# Altium PCB PCB_with_drawing_try2.PcbDoc (part 5 of 5) (continued)
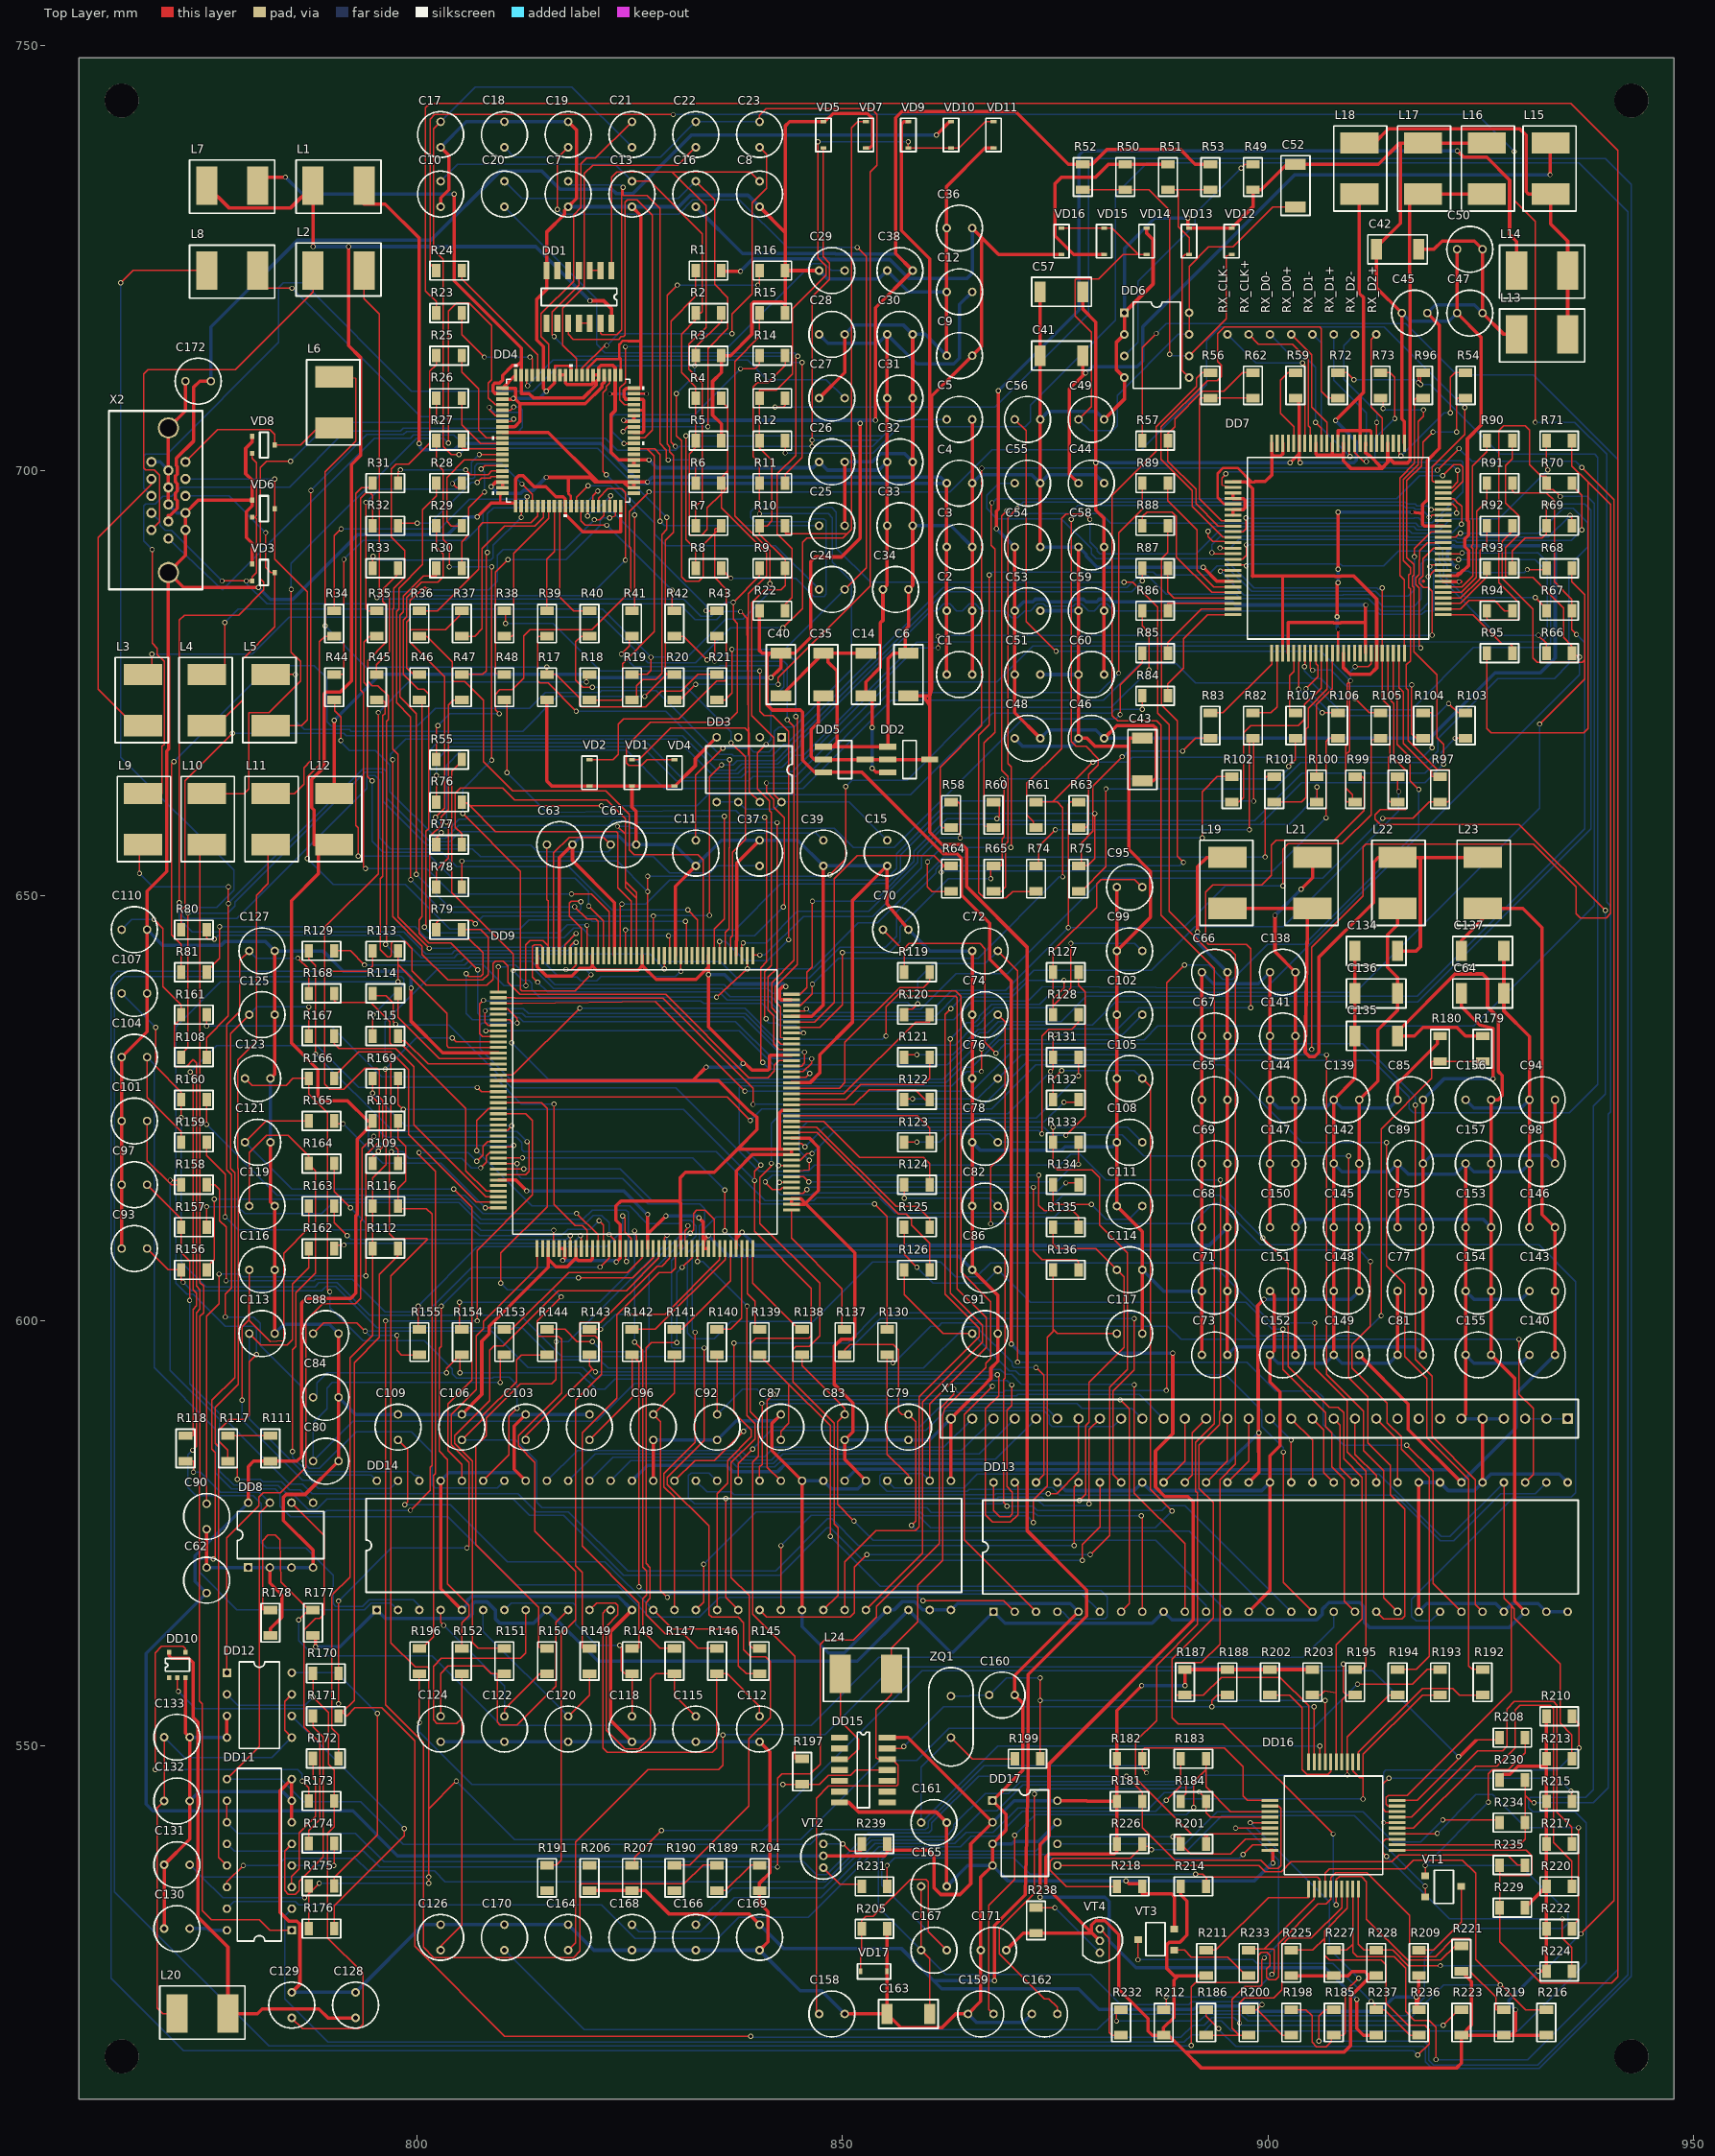
[diagram p0: Top Layer view]
## Nets (pads, with @x,y where several pads share a name; then routed paths per layer and width w, separated by ;. In a path a pad name is that pad's centre, name@x,y a point inside that pad or via, vN(x,y) a via of type N, cw(c..) or ccw(c..) an arc to the next point about the centre after c; other vN are vias at no path point) (continued)
  Bottom Layer w0.15: v1(776.024,572.013) 774.599,572.013 774.421,571.835 774.421,570.416 778.81,566.027 793.787,566.027 794.589,566.829 796.921,566.829 DD14.2@797.75,566 ; C125.2@780.25,636 781.16,636.91 v1(787.25,636.91)
RA2: C123.2 DD14.51 R166.1 | length 75.3
  Top Layer w0.15: C123.2@779.75,628.5 780.586,627.664 784.584,627.664 785.42,628.5 R166.1@787.25,628.5 787.25,626.675 789.461,624.464 789.461,603.661 v1(789.715,603.407) ; DD14.51@807.75,581.2 810.797,584.247 810.797,588.752 v1(811.737,589.691)
  Bottom Layer w0.15: v1(789.715,603.407) 789.715,601.585 793.652,597.648 800.834,597.648 804.142,594.34 804.142,593.781 804.65,593.273 808.866,593.273 808.968,593.374 810.822,593.374 811.737,592.46 v1(811.737,589.691)
RA3: C121.2 DD14.52 R165.1 | length 72.4
  Top Layer w0.15: C121.2@779.75,621 782.25,623.5 R165.1@787.25,623.5 ; v1(804.294,615.498) 806.428,613.364 806.428,593.048 803.613,590.233 803.613,584.769 805.25,583.132 DD14.52@805.25,581.2
  Bottom Layer w0.15: C121.2@779.75,621 785.252,615.498 v1(804.294,615.498)
RA4: C119.2 DD14.54 R164.1 | length 68.4
  Top Layer w0.15: C119.2@780.25,613.5 780.25,619.781 782.298,621.829 784.805,621.829 787.25,619.384 R164.1@787.25,618.5 787.25,618.419 788.038,617.63 788.038,605.617 785.736,603.315 785.736,597.016 785.346,596.626 v1(785.346,584.637)
  Bottom Layer w0.15: v1(785.346,584.637) 785.346,583.979 787.058,582.267 799.187,582.267 799.662,581.792 800.25,581.792 DD14.54@800.25,581.2
RA5: C116.2 DD14.55 R163.1 | length 68.1
  Top Layer w0.15: v1(779.402,590.682) 779.402,599.293 780.2,600.09 C116.2@780.25,606 780.25,600.041 782.725,597.565 784.305,597.692 784.305,607.955 787.25,610.9 R163.1@787.25,613.5
  Bottom Layer w0.15: v1(779.402,590.682) 779.402,588.356 786.528,581.231 787.457,581.231 788.369,580.319 796.869,580.319 DD14.55@797.75,581.2
RA6: C113.2 DD14.56 R162.1 | length 45.5
  Top Layer w0.15: C113.2@780.25,598.5 781.591,597.159 784.711,597.159 785.332,597.78 785.332,604.334 787.25,606.252 R162.1@787.25,608.5
  Bottom Layer w0.15: C113.2@780.25,598.5 780.25,588.463 786.85,581.863 794.587,581.863 DD14.56@795.25,581.2
RA7: C110.2 DD14.3 R161.1 | length 115.7
  Top Layer w0.15: v1(769.065,647.197) 770.106,646.156 770.106,639.323 772.25,637.179 R161.1@772.25,636 772.25,635.589 771.452,634.791 771.452,630.052 771.605,629.9 772.849,629.9 773.662,630.712 773.664,630.712 774.068,630.308 774.068,604.077 774.472,603.673 774.472,601.369 774.068,600.965 774.068,585.272 v1(773.586,584.789)
  Bottom Layer w0.15: C110.2@765.25,646 766.447,647.197 v1(769.065,647.197) ; v1(773.586,584.789) 773.052,584.256 773.052,580.42 774.024,579.449 780.704,579.449 781.688,578.465 781.688,573.918 782.298,573.308 786.921,573.308 790.121,570.108 790.121,566.736 790.426,566.431 793.55,566.431 794.352,567.233 799.575,567.233 800.25,566.558 DD14.3@800.25,566
RB0: C107.2 DD13.50 R160.1 | length 174.1
  Top Layer w0.15: v1(769.242,634.508) 769.242,629.925 772.25,626.917 R160.1@772.25,626 v1(772.25,623.895) ; DD13.50@882.75,581 881.821,581.929 881.821,591.755 884.304,594.238 v1(884.304,600.283)
  Bottom Layer w0.15: C107.2@765.25,638.5 v1(769.242,634.508) ; v1(772.25,623.895) 772.25,606.914 775.186,603.978 787.961,603.978 788.463,604.48 790.598,604.48 794.445,600.633 812.151,600.633 816.971,595.813 849.964,595.813 854.434,600.283 v1(884.304,600.283)
RB1: C104.2 DD13.2 R159.1 | length 167.3
  Top Layer w0.15: C104.2@768.25,631 768.25,626.254 772.25,622.254 R159.1@772.25,621 ; v1(859.463,567.085) 868.965,567.085 DD13.2@870.25,565.8
  Bottom Layer w0.15: C104.2@768.25,631 769.09,630.16 769.09,594.492 776.32,587.262 776.32,582.097 778.16,580.257 781.436,580.257 781.464,580.229 783.277,580.229 783.873,579.633 783.873,578.236 785.126,576.983 803.617,576.983 811.653,568.947 823.515,568.947 827.307,565.155 833.2,565.155 835.532,567.487 859.061,567.487 v1(859.463,567.085)
RB2: C101.2 DD13.51 R158.1 | length 169.7
  Top Layer w0.15: C101.2@768.25,623.5 768.25,618.852 771.122,615.98 772.25,615.98 R158.1@772.25,616 772.25,616.539 v1(770.97,616.539) ; v1(878.183,571.835) 878.183,573.689 880.25,575.756 DD13.51@880.25,581
  Bottom Layer w0.15: v1(770.97,616.539) 770.97,594.187 776.761,588.396 776.761,582.351 778.437,580.674 781.638,580.674 781.663,580.649 783.67,580.649 784.609,579.709 785.295,579.709 787.213,577.791 788.14,577.791 789.398,579.049 811.314,579.049 813.219,577.144 817.198,577.144 824.233,570.108 842.623,570.108 848.186,575.671 848.592,575.671 852.427,571.835 v1(878.183,571.835)
RB3: C97.2 DD13.52 R157.1 | length 150
  Top Layer w0.15: C97.2@768.25,616 772.25,612 R157.1@772.25,611 772.25,608.056 773.245,607.061 v1(773.245,602.417) ; v1(877.218,573.588) 877.218,580.468 DD13.52@877.75,581
  Bottom Layer w0.15: v1(773.245,602.417) 773.245,592.598 785.016,580.827 786.514,580.827 787.657,579.684 811.838,579.684 813.974,577.548 817.784,577.548 824.741,570.591 842.115,570.591 848.24,576.716 848.741,576.716 851.869,573.588 v1(877.218,573.588)
RB4: C93.2 DD13.54 R156.1 | length 130
  Top Layer w0.15: C93.2@768.25,608.5 770.75,606 R156.1@772.25,606 772.25,604.769 v1(772.494,604.525) ; v1(872.747,594.517) 873.679,593.586 873.679,581.929 DD13.54@872.75,581
  Bottom Layer w0.15: v1(772.494,604.525) 773.484,603.534 788.75,603.534 789.283,604.068 790.401,604.068 795.28,599.189 812.333,599.189 816.115,595.406 821.465,595.406 822.43,594.441 859.528,594.441 864.416,599.329 865.751,599.329 869.953,595.127 869.953,594.746 870.182,594.517 v1(872.747,594.517)
RB5: C88.2 DD13.55 R155.1 | length 118.1
  Top Layer w0.15: C88.2@787.75,598.5 789,599.75 792.915,599.75 v1(793.88,598.785) ; v1(797.614,598.277) 797.614,596.524 798.138,596 R155.1@800.25,596 ; v1(868.201,593.679) 868.362,593.518 868.362,591.198 866.804,589.641 866.804,577.169 867.642,576.331 869.725,576.331 870.614,577.22 870.614,580.636 DD13.55@870.25,581
  Bottom Layer w0.15: v1(797.614,598.277) 794.388,598.277 v1(793.88,598.785) 808.765,598.785 813.017,594.533 819.468,594.533 820.779,593.222 821.287,593.222 821.668,593.603 868.125,593.603 v1(868.201,593.679)
RB6: C84.2 DD13.56 R154.1 | length 111
  Top Layer w0.15: v1(803.447,593.908) 803.447,594.416 R154.1@805.031,596 ; v1(805.031,593.908) R154.1@805.031,596 ; R154.1@805.25,596 R154.1@805.031,596 ; DD13.56@867.75,581 867.75,577.728 868.487,576.991 869.674,576.991 869.979,577.296 869.979,579.862 869.321,580.519 869.321,589.488 869.903,590.07 v1(869.903,592.46)
  Bottom Layer w0.15: C84.2@787.75,591 788.193,591 788.193,592.717 789.385,593.908 v1(803.447,593.908) ; v1(805.031,593.908) 819.077,593.908 821.033,591.952 822.049,591.952 823.243,593.146 867.21,593.146 867.343,593.013 869.35,593.013 v1(869.903,592.46)
RB7: C80.2 DD13.3 R153.1 | length 148.8
  Top Layer w0.15: v1(809.755,592.739) 809.755,596 R153.1@810.25,596 ; v1(867.617,592.308) 864.315,589.006 864.315,574.235 DD13.3@872.75,565.8
  Bottom Layer w0.15: v1(809.755,592.739) 790.02,592.739 789.385,592.104 789.385,589.666 787.75,588.031 C80.2@787.75,583.5 792.417,588.167 821.084,588.167 825.548,592.632 867.115,592.632 867.439,592.308 v1(867.617,592.308)
ROM_SCL: DD16.27 R112.2 R171.1 R223.2 | length 246.6
  Top Layer w0.15: R171.1@790.75,553.54 790.75,553.547 R171.1@791.21,554.008 ; R112.2@797.75,608.5 797.75,607.683 795.533,605.466 795.533,598.05 792.585,595.102 792.585,555.382 R171.1@791.21,554.008 ; v1(839.194,515.879) 810.294,515.879 799.697,526.476 799.697,550.601 795.811,554.487 792.661,554.487 791.696,553.522 R171.1@791.21,554.008 ; v1(896.674,517.428) 896.674,519.816 897.233,520.375 900.687,520.375 901.653,521.34 901.653,526.598 902.47,527.415 905.123,527.415 908.7,530.992 DD16.27@908.7,533.2 ; v1(920.604,517.174) 922.43,519 R223.2@922.75,519
  Bottom Layer w0.15: v1(839.194,515.879) 839.321,515.752 889.778,515.752 891.2,517.174 892.542,517.174 893.448,518.08 896.022,518.08 v1(896.674,517.428) 896.928,517.174 v1(920.604,517.174)
ROM_SCL_ASIC: DD9.10 R112.1 R116.1 R172.1 | length 99.1
  Top Layer w0.15: R172.1@790.75,548.54 790.75,551.312 789.975,552.087 789.975,567.752 792.077,569.854 792.077,595.639 794.75,598.312 R112.1@794.75,608.5 R116.1@794.75,613.5 794.75,616.768 796.344,618.362 796.344,629.493 v1(796.243,629.595) ; v1(804.136,633.252) 804.589,632.8 DD9.10@809.55,632.8
  Bottom Layer w0.15: v1(796.243,629.595) 799.9,633.252 v1(804.136,633.252)
ROM_SCL_EEPROM: DD8.6 R110.2 R116.2 R174.2 | length 110.1
  Top Layer w0.15: DD8.6@785.21,578.62 789.054,574.776 789.054,565.536 788.546,565.028 788.038,565.028 786.667,563.656 786.667,552.252 788.546,550.372 788.546,541.356 787.25,540.06 R174.2@787.25,538.54 ; R110.2@797.75,623.5 797.75,621.416 798.63,620.536 798.63,616.438 797.75,615.557 R116.2@797.75,613.5 797.75,613.212 801.094,613.212 801.758,612.548 801.758,583.023 801.517,582.782 801.517,580.056 v1(799.189,577.728)
  Bottom Layer w0.15: DD8.6@785.21,578.62 786.443,577.387 788.983,577.387 789.324,577.728 v1(799.189,577.728)
ROM_SDA: DD16.28 R113.2 R225.2 | length 343.7
  Top Layer w0.15: v1(789.766,641.101) 794.115,641.101 794.75,641.736 R113.2@794.75,643.5 ; R225.2@902.75,526 905.259,526 906.656,527.397 ; DD16.28@909.35,533.2 909.35,530.917 906.656,528.223 906.656,527.397 ; v1(917.627,513.669) 918.952,514.995 918.952,516.687 918.442,517.197 916.489,517.197 913.895,519.791 913.895,524.288 913.362,524.821 907.24,524.821 906.656,525.404 906.656,527.397
  Bottom Layer w0.15: v1(789.766,641.101) 764.67,641.101 764.01,640.441 764.01,522.686 772.519,514.177 917.119,514.177 v1(917.627,513.669)
SCDT: DD16.17 R56.2 R201.2 | length 201.9
  Top Layer w0.15: R201.2@892.75,538.5 892.75,539.311 ; R56.2@893.25,711.5 892.27,711.5 891.594,710.824 891.594,709.859 886.856,705.121 886.856,702.25 881.688,697.083 881.688,671.2 882.349,670.54 886.946,670.54 887.454,670.032 887.454,647.683 893.702,641.434 893.702,587.913 891.517,585.728 891.517,579.983 891.733,579.767 891.733,564.317 886.921,559.504 886.921,553.014 884.457,550.55 884.457,546.232 891.061,539.628 892.433,539.628 892.75,539.311 ; DD16.17@900.25,539.7 893.139,539.7 892.75,539.311
VCLK00: DD9.28 R196.2 | length 71.5
  Top Layer w0.15: v1(800.205,619.79) 800.078,619.663 802.162,617.579 802.162,582.047 801.921,581.806 801.921,562.86 800.561,561.5 R196.2@800.25,561.5 ; v1(806.987,618.761) 807.712,619.486 807.712,620.516 808.296,621.1 DD9.28@809.55,621.1
  Bottom Layer w0.15: v1(800.205,619.79) 805.957,619.79 v1(806.987,618.761)
VCLK01: R99.2 R169.1 R197.2 | length 255.4
  Top Layer w0.15: R169.1@797.75,628.5 797.75,625.446 v1(798.351,624.845) ; v1(840.388,618.317) 839.651,617.581 v1(839.651,616.488) 839.651,610.519 846.331,603.839 846.331,598.251 846.052,597.972 839.81,597.972 839.175,597.337 839.175,589.304 840.108,588.371 840.108,584.08 839.421,583.392 839.421,565.538 844.401,560.558 844.401,548.5 R197.2@845.25,548.5 ; v1(866.321,629.341) v1(866.321,631.957) ; v1(897.995,636.834) 897.995,643.768 897.487,644.276 893.042,644.276 892.712,644.606 892.712,650.397 893.55,651.236 899.29,651.236 900.433,652.379 900.433,655.96 900.967,656.493 907.825,656.493 911.33,659.999 911.33,663.746 911.076,664 R99.2@910.25,664
  Bottom Layer w0.15: v1(798.351,624.845) 831.295,624.845 v1(839.651,616.488) ; v1(840.388,618.317) 837.873,620.832 837.873,627.385 838.121,627.633 862.861,627.633 864.569,629.341 v1(866.321,629.341) ; v1(866.321,631.957) 866.778,631.957 869.166,634.345 882.374,634.345 884.863,636.834 v1(897.995,636.834)
VGA_CON: DD16.10 R8.2 R187.1 | length 250.2
  Top Layer w0.15: R8.2@835.75,688.5 835.75,688.447 v1(836.868,687.329) ; v1(883.085,686.846) 884.101,686.846 887.022,683.925 887.022,671.479 888.394,670.108 888.394,648.162 892.936,643.62 895.582,643.62 896.192,643.011 896.192,583.165 894.363,581.336 894.363,561.98 892.178,559.796 889.156,559.796 889.156,556.138 889.294,556 R187.1@890.25,556 892.432,556 894.526,558.094 901.424,558.094 904.8,554.718 DD16.10@904.8,548.15
  Bottom Layer w0.15: v1(836.868,687.329) 844.503,687.329 846.662,685.17 847.83,685.17 848.084,685.424 848.084,694.055 847.81,694.329 846.433,694.329 846.062,693.958 839.702,693.958 839.194,694.466 839.194,695.127 839.702,695.635 848.719,695.635 849.278,695.076 849.278,690.86 853.291,686.846 v1(883.085,686.846)
VGA_CONN: C5.1 R1.1 R8.1 VD5.2 X2.10 | length 209.6
  Top Layer w0.15: v1(830.329,702.848) 829.821,703.356 829.821,717.53 832.75,720.458 R1.1@832.75,723.5 ; v1(831.599,704.068) 831.571,704.039 831.571,691.886 832.75,690.707 R8.1@832.75,688.5 ; v1(846.408,702.848) v1(846.408,703.56) 846.408,720.4 848.483,722.475 848.483,724.395 847.728,725.15 847.728,737.9 VD5.2@847.75,737.9
  Bottom Layer w0.15: X2.10@770.75,692 777.091,685.932 794.97,703.811 799.197,703.811 799.573,704.186 804.308,704.186 804.684,703.811 822.128,703.811 823.548,702.391 830.329,702.391 830.787,702.848 ; v1(830.329,702.848) 830.787,702.848 ; v1(831.599,704.068) 854.764,704.068 ; v1(846.408,703.56) 854.256,703.56 ; C5.1@862.25,706 856.697,706 854.764,704.068 ; 830.787,702.848 v1(846.408,702.848) 853.545,702.848 854.256,703.56 ; 854.256,703.56 854.764,704.068
VGA_HS: R2.1 R3.2 R7.1 VD2.2 X2.13 | length 173.2
  Top Layer w0.15: VD2.2@820.25,666 822.996,666 823.624,666.628 823.624,670.184 824.233,670.794 830.761,670.794 835.181,675.213 836.171,675.213 836.349,675.391 836.349,686.034 834.952,687.431 834.952,692.627 ; v1(830.456,709.021) 830.456,704.087 831.066,703.477 831.066,687.507 831.574,686.999 833.098,686.999 833.606,687.507 833.606,691.281 834.952,692.627 ; v1(832.615,712.323) 832.75,712.457 R3.2@832.75,713.5 832.75,714.482 835.75,717.482 R2.1@835.75,718.5 ; R7.1@835.75,693.5 R7.1@835.75,693.425 ; 834.952,692.627 834.952,693.044 835.105,693.196 R7.1@835.521,693.196 ; 834.952,692.627 R7.1@835.521,693.196 ; R7.1@835.521,693.196 R7.1@835.75,693.425 ; R7.1@835.521,693.196 835.75,693.196 R7.1@835.75,693.425
  Bottom Layer w0.15: X2.13@768.75,697 767.82,697.93 767.82,701.68 768.074,701.934 770.589,701.934 783.72,715.066 783.72,721.492 784.279,722.051 786.616,722.051 799.341,709.325 813.616,709.325 816.613,712.323 v1(832.615,712.323) 832.615,711.18 v1(830.456,709.021)
VGA_SCL: L2.1 X2.15 | length 46.5
  Top Layer w0.15: X2.15@768.75,693 769.7,693.95 769.7,699.445 769.09,700.054 768.074,700.054 767.82,700.308 767.82,711.332 768.328,711.84 778.606,711.84 787.75,720.984 L2.1@787.75,723.5
VGA_SDA: L3.1 X2.12 | length 34.4
  Top Layer w0.15: L3.1@767.75,670 766.753,670 762.486,674.267 762.486,692.104 768.75,698.368 X2.12@768.75,699
VGA_VS: C10.1 C13.1 DD3.7 R2.2 R4.1 R4.2 R5.2 R6.1 VD1.2 VD3.2 VD6.2 VD8.2 X2.14 | length 262.1
  Top Layer w0.15: v1(777.064,687) v1(779.902,687) VD3.2@780.6,687 780.6,687.456 781.13,687.986 781.13,694.314 780.944,694.5 780.935,694.5 ; VD6.2@780.6,694.5 780.935,694.5 ; VD8.2@780.6,702 780.6,701.422 781.13,700.893 781.13,694.695 780.935,694.5 ; VD1.2@825.25,666 826.044,666 829.771,669.727 838.508,669.727 838.942,669.293 ; C13.1@825.25,734 827.372,734 833.53,727.842 833.53,718.698 833.352,718.52 832.75,718.52 R2.2@832.75,718.5 832.75,717.69 831.066,716.006 831.066,711.492 832.75,709.808 R4.2@832.75,708.5 R5.2@832.75,703.5 832.75,702.696 831.975,701.921 831.975,692.536 832.102,692.409 833.454,692.409 834.089,693.044 834.089,695.584 835.75,697.245 ; R4.1@835.75,708.5 835.75,708.197 836.527,707.42 836.527,699.942 ; v1(838,683.392) 838.737,682.655 838.942,670.309 ; DD3.7@840.29,661 839.067,662.223 839.067,666.509 ; 835.75,697.245 835.75,695.599 841.048,690.301 841.048,687.583 838.942,685.477 838.942,670.309 ; 835.75,697.245 R6.1@835.75,698.5 835.75,699.165 836.527,699.942 ; 835.75,697.245 836.527,698.022 836.527,699.942 ; 838.942,669.293 838.942,666.634 839.067,666.509 ; 838.942,669.293 838.942,670.309 ; 838.942,669.293 838.977,669.258 ; 838.942,670.309 838.977,669.258 ; 838.977,669.258 839.067,669.168 839.067,666.509 ; 838.977,669.258 839.067,666.509
  Bottom Layer w0.15: X2.14@768.75,695 769.75,694 769.75,693.552 770.36,692.942 771.122,692.942 v1(777.064,687) ; v1(779.902,687) 779.902,686.711 782.32,684.293 830.825,684.293 832.651,682.467 835.196,682.467 836.121,683.392 v1(838,683.392) ; C10.1@802.75,734 804.745,735.995 823.255,735.995 C13.1@825.25,734
VLCK00: C37.1 L8.2 | length 180.1
  Top Layer w0.15: v1(765.153,722.076) 766.601,723.524 775.25,723.524 L8.2@775.25,723.5
  Bottom Layer w0.15: v1(765.153,722.076) 765.153,666.272 778.437,652.988 778.437,650.626 776.405,648.594 772.677,648.594 772.423,648.34 772.423,647.578 772.677,647.324 778.793,647.324 794.064,662.595 794.064,663.834 794.363,664.133 795.023,664.133 795.576,663.58 795.576,656.773 796.833,655.516 806.516,655.516 807.444,654.588 827.739,654.588 829.656,652.671 834.419,652.671 835.244,653.496 840.25,653.496 C37.1@840.25,653.5
VSYNC_D: DD7.47 DD11.2 | length 363.1
  Top Layer w0.15: DD7.47@914.1,678.5 914.1,673.303 914.81,672.593 914.81,666.171 916.334,664.647 916.334,660.278 916.181,660.126 913.235,660.126 912.625,659.516 912.625,659.008 913.235,658.398 929.542,658.398 v1(939.676,648.264)
  Bottom Layer w0.15: DD11.2@785.25,530.88 784.406,530.036 784.406,520.299 789.537,515.168 890.172,515.168 891.061,516.057 892.102,516.057 893.722,517.676 894.56,517.676 895.722,516.514 929.44,516.514 937.441,524.515 937.441,541 936.146,542.295 931.142,542.295 930.634,542.803 930.634,543.717 930.888,543.971 937.365,543.971 938.279,544.886 938.279,625.277 939.676,626.674 v1(939.676,648.264)
VSYNC_IN: DD11.15 R183.1 | length 124.9
  Top Layer w0.15: v1(888.064,543.616) 889.75,545.302 R183.1@889.75,548.5
  Bottom Layer w0.15: DD11.15@777.63,530.88 778.479,531.729 785.702,531.729 786.083,531.348 821.643,531.348 825.627,527.363 835.311,527.363 837.797,529.849 846.001,529.849 854.282,538.13 863.858,538.13 865.13,539.402 868.178,539.402 871.123,542.347 886.795,542.347 v1(888.064,543.616)
VSYNC_MCU: DD16.5 R18.1 R109.2 R203.1 | length 279.8
  Top Layer w0.15: R109.2@794.75,618.5 794.75,619.282 v1(795.43,619.962) 795.935,620.468 795.935,625.914 795.531,626.318 795.531,629.442 795.252,629.722 793.855,629.722 791.391,627.258 789.715,627.258 789.137,627.836 789.137,646.286 795.414,652.563 v1(795.414,671.54) ; v1(819.89,675.112) 819.89,676 R18.1@820.25,676 ; v1(899.392,609.757) 902.415,606.735 902.415,594.644 907.226,589.833 908.282,589.833 908.917,589.198 908.917,583.773 911.101,581.589 911.101,564.952 908.05,561.9 908.05,556.259 ; R203.1@905.25,556 906.194,556 906.682,556.488 908.05,556.259 ; DD16.5@908.05,548.15 908.05,556.259
  Bottom Layer w0.15: v1(795.414,671.54) 798.986,675.112 v1(819.89,675.112) ; v1(795.43,619.962) 794.261,621.131 794.261,622.178 794.414,622.33 795.531,622.33 796.274,621.588 811.692,621.588 812.301,620.978 812.301,620.146 812.524,619.923 835.125,619.923 840.891,614.158 846.575,614.158 846.922,614.505 854.332,614.505 856.166,612.671 873.832,612.671 875.897,614.736 894.414,614.736 v1(899.392,609.757)
pads on no net: DD1.5 DD1.6 DD1.8 DD1.9 DD3.1 DD3.2 DD3.3 DD7.40 DD7.41 DD7.42 DD7.97 DD7.99 DD9.5 DD9.15 DD9.18 DD9.24 DD9.25 DD9.27 DD9.42 DD9.132 DD9.138 DD10.1 DD15.1 DD15.2 DD15.4 DD15.5 DD15.6 DD15.8 DD15.9 DD15.10 X1.7 X1.8 X1.9

## Silkscreen, mask and mechanical layers (free items; w line width, h text height)
Mechanical 7:
  text "BOASFORMAT|А1|1|0|766141733|331102362|1000000000|1:1|" at 0,2540 h0
  text "DimH|-73818897|0|118110236|976377953|-37401575|7874016|1||||js12|False|False|False|False" at 300,2480 h0
  text "DimV|0|-94488189|118110236|976377953|12795276|-47244095|1||||js12|False|False|False|False" at 300,2480 h0
  text "DimH|-1181103|0|142913386|976377953|-275591|2755905|1||||js12|False|False|False|False" at 363,2480 h0
  text "DimH|-73818897|0|118110236|976377953|-36417323|10826771|1||||js12|False|False|False|False" at 300,2477.5 h0
  text "DimH|-69881889|0|116141732|974409449|-32480315|4921260|1||||js12|False|False|False|False" at 295,2475 h0
  text "DimV|0|-90551181|116141732|974409449|8858268|-48228347|1||||js12|False|False|False|False" at 295,2475 h0
  text "DimH|-69881889|0|116141732|974409449|-30511811|6889764|1||||js12|False|False|False|False" at 295,2475 h0
  text "SET2|Superlayer=MechanicalLayer7|Wsuperlayer=MechanicalLayer8|Layergrid=MechanicalLayer9|Werase=MechanicalLayer11|Layermark=MechanicalLayer12|Layerstamp=MechanicalLayer13|Thinline=0,1|Basicline=0,1|Gridline=0,1|Boardline=0,6|Contourpolygonline=0,3|PcbGridStep=1|PcbGridCleareanceAtView=0|PcbGridNumberEach=l4|PcbGridLineEach=l2|PcbGridCountSecondaryStrip=1|PcbGridEnabledStrip=True|PcbSignalGridEnabled=True|PcbSignalShowBukva=True|RealSignalLayerNames=False|PcbGridEnabledBothSide=False|PcbPolarGridEnabled=False|PcbPolarGridAngleStep=10|PcbPolarGridRadialStep=10|SilkShowPad=True|SilkViewName=Слой маркировки|SilkShowHole=True|SilkShowAxis=True|SilkShowBukva=False|SilkShowGrid=False|SolderShowGrid=False|SolderViewName=Слой маски|SolderShowAxis=False|SolderShowBukva=False|MainViewShowGrid=False|MainViewUseShapesDrill=False|ShowBukvaOnSboky=True|Density=2,2|TableName=Таблица 1|RazrezWidth=100|RealLayerNames=False|RazrezShowBukva=False|RazrezBukva=В-В|Sher=Rz 160|Asstoplayer=MechanicalLayer1|Asstoplayer2=None|Assbottomlayer=MechanicalLayer2|Assbottomlayer2=None|AssMinDiameterHoles=2|AssDim=True|AssMech=False|AssSilk=False|AssComponentSilk=False|AssFreeSilk=False|AssSmdPads=False|AssGridEnable=False|Mirror=Horisontal|PcbGridFontSize=2,5|PcbGridCenterZero=False|TTStampDistance=12|MainFontSize=5|PolyStep=2|PcbDrillDrawingGridEnabled=False|PcbDrillDrawingViewName=Слой сверловки|PcbDrillDrawingShowBukva=False|PcbDrillDrawingShowAxis=False|PcbSignalLayersUseDrill=True|PcbSignalLayersUseShapesDrill=False|PcbSignalLayersShowAxis=True" at 0,0.025 h0
  text "STAMP|Lit|Э" at 0,0 h0
  text "BOASVIADRILLTABLE:none,118110,1,|none,157480,682," at 0,0 h0
  text "2BOASDRILLTABLE:circle0101,236220,Да,498,True,|circle1000,275591,Да,15,True,|circle0010,314961,Да,30,True,|circle1110,787402,Да,2,True,|circle1011,1574803,Нет,4,True," at 0,0 h0
  text "STAMP|Utv|Утв." at 0,0 h0
  text "STAMP|Design|Разраб." at 0,0 h0
  text "STAMP|Check|Пров." at 0,0 h0
  text "STAMP|Normo|Н.контр." at 0,0 h0
  text "STAMP|Tech|Т.контр." at 0,0 h0
  text "STAMP|Var|Нач. отд." at 0,0 h0
  text "STAMP|Проверил|Станкевич" at 0,0 h0
  text "STAMP|Разработал|Соколов" at 0,0 h0
  text "STAMP|Материал1|Стеклотекстолит СФ-2-35Г-1,5" at 0,0 h0
  text "STAMP|Наименование1|Плата печатная" at 0,0 h0
  text "STAMP|Компания1|БГУИР, гр. 750701" at 0,0 h0
  text "STAMP|Обозначение|ГУИР.758717.001" at 0,0 h0
  text "TT0000#  1 *  Размер для справок." at 0,0 h0
  text "TT0001#  2 Плату изготовить комбинированным позитивным методом по ГОСТ 23752-79" at 0,0 h0
  text "TT0002#  3 Шаг координатной сетки 2,5 мм по ГОСТ Р 51040-97. Линии сетки нанесены через одну." at 0,0 h0
  text "TT0003#  4 Класс точности 3 по ГОСТ Р 53429-2009." at 0,0 h0
  text "TT0004#  5 Группа жесткости 3 при верхнем значении температуры окружающей среды (70±2) °С." at 0,0 h0
  text "TT0005#  6 Сведения об элементах проводящего рисунка сведены в таблице 1" at 0,0 h0
  text "TT0006#  7 Позиционные обозначения ИЭТ выполнить краской МКЭ белая ОСТ92-1586-89, шрифт 2.0-ПРЗ по СТБ 992-95 методом шелкографии" at 0,0 h0
  text "TT0007#  8 Маркировать месяц и год изготовления черной краской МКЭ ОСТ4 ГО.054.205 ОМ2 по инструкции И-75-89 шрифтом 3,5 или 5 тип А ГОСТ 2.304-81." at 0,0 h0
  text "TT0008#  9 Предельные отклонения расстояний между центрами отверстий ±0,2 мм, кроме оговоренных особо." at 0,0 h0
  text "TT0009#  10 Обработка отверстий имерсионным оловом JmmPB по ГОСТ Р 56427-2015" at 0,0 h0
  text "TT0010#  11 Покрытие проводников олово PBSmm по ГОСТ P55693-13" at 0,0 h0
  text "TT0011#  12 Печатная плата должна соответствовать ГОСТ Р 53429-2009" at 0,0 h0
  text "TT0012#" at 0,0 h0
Mechanical 8:
  drawing of 20 lines, arcs and shapes, not listed
Mechanical 9:
  region: 317.5,2245 316.842,2250 317.5,2249.5 318.158,2250
  region: 317.5,2475 318.158,2470 317.5,2470.5 316.842,2470
  region: 332.5,2480 333.158,2475 332.5,2475.5 331.842,2475
  region: 332.5,2240 331.842,2245 332.5,2244.5 333.158,2245
  region: 295,2492.5 290,2491.842 290.5,2492.5 290,2493.158
  region: 117.5,2492.5 122.5,2493.158 122,2492.5 122.5,2491.842
  region: 112.5,2505 117.5,2505.658 117,2505 117.5,2504.342
  region: 300,2505 295,2504.342 295.5,2505 295,2505.658
  region: 360,2487 355,2486.342 355.5,2487 355,2487.658
  region: 363,2487 368,2487.658 367.5,2487 368,2486.342
  lines w0.1: 112.5,2477.5 112.5,2506 ; 112.5,2505 300,2505 ; 117.5,2475 117.5,2493.5 ; 117.5,2492.5 295,2492.5 ; 295,2245 318.5,2245 ; 295,2493.5 295,2475 318.5,2475 ; 300,2240 333.5,2240 ; 300,2477.5 300,2506 ; 300,2480 333.5,2480 ; 317.5,2245 317.5,2475 ; 332.5,2240 332.5,2480 ; 352,2487 375.782,2487 ; 360,2480 360,2488 ; 363,2480 363,2488
  text "187,5" at 201.054,2507.53 h7.68
  text "177,5" at 201.054,2495.03 h7.68
  text "3*" at 368.88,2489.53 h7.68
  text "230" at 314.97,2355.82 h7.68 r90
  text "240" at 329.97,2355.666 h7.68 r90
Mechanical 13:
  lines w0.1: 8,1976 20,1976 ; 8,2011 20,2011 ; 8,2036 20,2036 ; 8,2061 20,2061 ; 8,2178 20,2178 ; 13,1951 13,2096 ; 13,2118 13,2238 ; 20,2096 8,2096 8,1951 20,1951 ; 20,2118 8,2118 8,2238 20,2238 ; 20,2521 90,2521 90,2535 ; 651,1951 651,2006 836,2006 ; 651,1956 716,1956 ; 651,1961 716,1961 ; 651,1966 716,1966 786,1966 836,1966 ; 651,1971 716,1971 ; 651,1976 716,1976 ; 651,1981 716,1981 ; 651,1986 716,1986 ; 651,1991 716,1991 836,1991 ; 651,1996 716,1996 ; 651,2001 716,2001 ; 658,1981 658,2006 ; 668,1951 668,2006 ; 691,1951 691,2006 ; 706,1951 706,2006 ; 716,1951 716,2006 836,2006 ; 765,2524 770,2515 777.6,2529 ; 777.7,2529 828,2529 ; 786,1951 786,1991 ; 786,1971 836,1971 ; 786,1986 801,1986 836,1986 ; 790.96,1971 790.96,1986 ; 795.98,1971 795.98,1986 ; 801,1971 801,1991 ; 806.57,1966 806.57,1971 ; 812.7,2522.1 815.8,2516.7 821.4,2526.5 ; 818,1971 818,1991 ; 836,2014 836,2006 ; 20,1951 836,1951 836,2535 20,2535 20,1951
  text "ГУИР.758717.001" at 72.707,2530.107 h7.68 r180
  text "Rz 160" at 777.7,2516.7 h10.75
  text "(" at 809,2516.7 h10.75
  text ")" at 820,2516.7 h10.75
  text "Перв. примен." at 11.975,2197.379 h5.38 r90
  text "Справ. №" at 11.975,2140.785 h5.38 r90
  text "Подп. и дата" at 11.975,2068.966 h5.38 r90
  text "Инв. № дубл." at 11.975,2039.459 h5.38 r90
  text "Взам. инв. №" at 11.975,2014.5 h5.38 r90
  text "1 *  Размер для справок. /   2 Плату изготовить комбинированным позитивным методом по ГОСТ 23752-79 /   3 Шаг координатной сетки 2,5 мм по ГОСТ Р 51040-97. Линии сетки нанесены через одну. /   4 Класс точности 3 по ГОСТ Р 53429-2009. /   5 Группа жесткости 3 при верхнем значении температуры окружающей среды (70±2) °С. /   6 Сведения об элементах проводящего рисунка сведены в таблице 1 /   7 Позиционные обозначения ИЭТ выполнить краской МКЭ белая ОСТ92-1586-89, шрифт 2.0-ПРЗ по СТБ 992-95 методом шелкографии   /   8 Маркировать месяц и год изготовления черной краской МКЭ ОСТ4 ГО.054.205 ОМ2 по инструкции И-75-89 шрифтом 3,5 или 5 тип А ГОСТ 2.304-81. /   9 Предельные отклонения расстояний между центрами отверстий ±0,2 мм, кроме оговоренных особо. /   10 Обработка отверстий имерсионным оловом JmmPB по ГОСТ Р 56427-2015 /   11 Покрытие проводников олово PBSmm по ГОСТ P55693-13 /   12 Печатная плата должна соответствовать ГОСТ Р 53429-2009" at 656,2014 h7.68
  text "ГУИР.758717.001" at 758.293,1996.393 h7.68
  text "Лит." at 790.329,1987.025 h5.38
  text "Масса" at 805.114,1987.025 h5.38
  text "Масштаб" at 820.139,1987.025 h5.38
  text "Подп. и дата" at 11.975,1985.466 h5.38 r90
  text "Плата печатная" at 733.346,1983.893 h7.68
  text "Изм." at 651.686,1982.025 h5.38
  text "Лист" at 659.026,1982.025 h5.38
  text "№ докум." at 673.274,1982.025 h5.38
  text "Подп." at 694.922,1982.025 h5.38
  text "Дата" at 706.965,1982.025 h5.38
  text "Разраб." at 651.533,1976.771 h5.38
  text "Соколов" at 668.68,1976.771 h5.38
  text "Э" at 786.88,1976.393 h7.68
  text "0,3" at 806.407,1976.393 h7.68
  text "1:1" at 824.818,1976.393 h7.68
  text "Пров." at 651.533,1971.771 h5.38
  text "Станкевич" at 668.68,1971.771 h5.38
  text "Т.контр." at 651.533,1966.771 h5.38
  text "Лист" at 787.442,1966.771 h5.38
  text "Листов" at 808.485,1966.771 h5.38
  text "1" at 828.422,1966.771 h5.38
  text "Нач. отд." at 651.533,1961.771 h5.38
  text "Стеклотекстолит СФ-2-35Г-1,5" at 726.322,1960.025 h5.38
  text "Н.контр." at 651.533,1956.771 h5.38
  text "БГУИР, гр. 750701" at 791.306,1956.393 h7.68
  text "Инв. № подл." at 11.975,1954.459 h5.38 r90
  text "Утв." at 651.533,1951.771 h5.38
  text "Копировал" at 726.533,1946.771 h5.38
  text "Формат А1" at 807.707,1946.771 h5.38

## Text inside footprints (layer, text, board x,y; h text height)
ZBOAS442984153: Mechanical 12 "-" at 204.535,2066.283 h7.68; Mechanical 12 "Нет" at 235.873,2066.283 h7.68; Mechanical 12 "4" at 168.435,2066.283 h7.68; Mechanical 12 "4" at 266.627,2066.283 h7.68; Mechanical 12 "2,5" at 202.211,2076.19 h7.68; Mechanical 12 "Да" at 237.29,2076.19 h7.68; Mechanical 12 "2" at 167.895,2076.19 h7.68; Mechanical 12 "2" at 266.087,2076.19 h7.68; Mechanical 12 "1,2" at 203.084,2084.393 h7.68; Mechanical 12 "Да" at 237.29,2084.393 h7.68; Mechanical 12 "0,8" at 166.257,2084.393 h7.68; Mechanical 12 "30" at 264.869,2084.393 h7.68; Mechanical 12 "1,2" at 203.084,2092.393 h7.68; Mechanical 12 "Да" at 237.29,2092.393 h7.68; Mechanical 12 "0,7" at 166.066,2092.393 h7.68; Mechanical 12 "15" at 265.664,2092.393 h7.68; Mechanical 12 "1,0" at 203.069,2100.393 h7.68; Mechanical 12 "Да" at 237.29,2100.393 h7.68; Mechanical 12 "0,6" at 166.37,2100.393 h7.68; Mechanical 12 "498" at 263.587,2100.393 h7.68; Mechanical 12 "0,6" at 202.466,2108.393 h7.68; Mechanical 12 "переходное" at 122.864,2108.393 h7.68; Mechanical 12 "Да" at 237.29,2108.393 h7.68; Mechanical 12 "0,4" at 166.583,2108.393 h7.68; Mechanical 12 "682" at 263.482,2108.393 h7.68; Mechanical 12 "0,6" at 202.466,2116.393 h7.68; Mechanical 12 "переходное" at 122.864,2116.393 h7.68; Mechanical 12 "Да" at 237.29,2116.393 h7.68; Mechanical 12 "0,3" at 166.407,2116.393 h7.68; Mechanical 12 "1" at 266.867,2116.393 h7.68; Mechanical 12 "отв." at 263.534,2124.143 h7.68; Mechanical 12 "Кол." at 263.744,2131.643 h7.68; Mechanical 12 "металлизации" at 224.877,2124.143 h7.68; Mechanical 12 "Наличие" at 231.513,2131.643 h7.68; Mechanical 12 "площадки, мм" at 191.226,2124.143 h7.68; Mechanical 12 "Диаметр конт." at 190,2131.643 h7.68; Mechanical 12 "мм" at 166.609,2124.143 h7.68; Mechanical 12 "Диаметр отв.," at 154.658,2131.643 h7.68; Mechanical 12 "отв." at 127.342,2124.143 h7.68; Mechanical 12 "Обозначение" at 118.206,2131.643 h7.68; Mechanical 12 "Таблица 1" at 112.5,2139 h7.68
ZBOAS442988188: Mechanical 7 "184" at 294.987,2235.531 h3.84; Mechanical 7 "180" at 290.785,2235.531 h3.84; Mechanical 7 "176" at 286.88,2235.531 h3.84; Mechanical 7 "172" at 282.792,2235.531 h3.84; Mechanical 7 "168" at 278.824,2235.531 h3.84; Mechanical 7 "164" at 274.987,2235.531 h3.84; Mechanical 7 "160" at 270.785,2235.531 h3.84; Mechanical 7 "156" at 266.957,2235.531 h3.84; Mechanical 7 "152" at 262.869,2235.531 h3.84; Mechanical 7 "148" at 258.824,2235.531 h3.84; Mechanical 7 "144" at 254.987,2235.531 h3.84; Mechanical 7 "140" at 250.785,2235.531 h3.84; Mechanical 7 "136" at 246.957,2235.531 h3.84; Mechanical 7 "132" at 242.869,2235.531 h3.84; Mechanical 7 "128" at 238.824,2235.531 h3.84; Mechanical 7 "124" at 234.987,2235.531 h3.84; Mechanical 7 "120" at 230.785,2235.531 h3.84; Mechanical 7 "116" at 227.107,2235.531 h3.84; Mechanical 7 "112" at 223.019,2235.531 h3.84; Mechanical 7 "108" at 218.824,2235.531 h3.84; Mechanical 7 "104" at 214.987,2235.531 h3.84; Mechanical 7 "100" at 210.785,2235.531 h3.84; Mechanical 7 "96" at 207.257,2235.531 h3.84; Mechanical 7 "92" at 203.169,2235.531 h3.84; Mechanical 7 "88" at 199.105,2235.531 h3.84; Mechanical 7 "84" at 195.268,2235.531 h3.84; Mechanical 7 "80" at 191.066,2235.531 h3.84; Mechanical 7 "76" at 187.332,2235.531 h3.84; Mechanical 7 "72" at 183.244,2235.531 h3.84; Mechanical 7 "68" at 179.105,2235.531 h3.84; Mechanical 7 "64" at 175.268,2235.531 h3.84; Mechanical 7 "60" at 171.066,2235.531 h3.84; Mechanical 7 "56" at 167.184,2235.531 h3.84; Mechanical 7 "52" at 163.096,2235.531 h3.84; Mechanical 7 "48" at 159.126,2235.531 h3.84; Mechanical 7 "44" at 155.289,2235.531 h3.84; Mechanical 7 "40" at 151.087,2235.531 h3.84; Mechanical 7 "36" at 147.184,2235.531 h3.84; Mechanical 7 "32" at 143.096,2235.531 h3.84; Mechanical 7 "28" at 139.051,2235.531 h3.84; Mechanical 7 "24" at 135.214,2235.531 h3.84; Mechanical 7 "20" at 131.012,2235.531 h3.84; Mechanical 7 "16" at 127.559,2235.531 h3.84; Mechanical 7 "12" at 123.471,2235.531 h3.84; Mechanical 7 "8" at 119.784,2235.531 h3.84; Mechanical 7 "4" at 115.968,2235.531 h3.84; Mechanical 7 "0" at 111.745,2235.531 h3.84; Mechanical 7 "240" at 104.166,2478.947 h3.84; Mechanical 7 "236" at 104.511,2474.947 h3.84; Mechanical 7 "232" at 104.335,2470.947 h3.84; Mechanical 7 "228" at 104.245,2466.947 h3.84; Mechanical 7 "224" at 104.571,2462.947 h3.84; Mechanical 7 "220" at 104.166,2458.947 h3.84; Mechanical 7 "216" at 104.811,2454.947 h3.84; Mechanical 7 "212" at 104.635,2450.947 h3.84; Mechanical 7 "208" at 104.245,2446.947 h3.84; Mechanical 7 "204" at 104.571,2442.947 h3.84; Mechanical 7 "200" at 104.166,2438.947 h3.84; Mechanical 7 "196" at 105.261,2434.947 h3.84; Mechanical 7 "192" at 105.085,2430.947 h3.84; Mechanical 7 "188" at 105.148,2426.947 h3.84; Mechanical 7 "184" at 105.475,2422.947 h3.84; Mechanical 7 "180" at 105.07,2418.947 h3.84; Mechanical 7 "176" at 105.261,2414.947 h3.84; Mechanical 7 "172" at 105.085,2410.947 h3.84; Mechanical 7 "168" at 105.148,2406.947 h3.84; Mechanical 7 "164" at 105.475,2402.947 h3.84; Mechanical 7 "160" at 105.07,2398.947 h3.84; Mechanical 7 "156" at 105.415,2394.947 h3.84; Mechanical 7 "152" at 105.238,2390.947 h3.84; Mechanical 7 "148" at 105.148,2386.947 h3.84; Mechanical 7 "144" at 105.475,2382.947 h3.84; Mechanical 7 "140" at 105.07,2378.947 h3.84; Mechanical 7 "136" at 105.415,2374.947 h3.84; Mechanical 7 "132" at 105.238,2370.947 h3.84; Mechanical 7 "128" at 105.148,2366.947 h3.84; Mechanical 7 "124" at 105.475,2362.947 h3.84; Mechanical 7 "120" at 105.07,2358.947 h3.84; Mechanical 7 "116" at 105.714,2354.947 h3.84; Mechanical 7 "112" at 105.538,2350.947 h3.84; Mechanical 7 "108" at 105.148,2346.947 h3.84; Mechanical 7 "104" at 105.475,2342.947 h3.84; Mechanical 7 "100" at 105.07,2338.947 h3.84; Mechanical 7 "96" at 106.014,2334.947 h3.84; Mechanical 7 "92" at 105.838,2330.947 h3.84; Mechanical 7 "88" at 105.711,2326.947 h3.84; Mechanical 7 "84" at 106.037,2322.947 h3.84; Mechanical 7 "80" at 105.632,2318.947 h3.84; Mechanical 7 "76" at 106.164,2314.947 h3.84; Mechanical 7 "72" at 105.988,2310.947 h3.84; Mechanical 7 "68" at 105.711,2306.947 h3.84; Mechanical 7 "64" at 106.037,2302.947 h3.84; Mechanical 7 "60" at 105.632,2298.947 h3.84; Mechanical 7 "56" at 105.868,2294.947 h3.84; Mechanical 7 "52" at 105.692,2290.947 h3.84; Mechanical 7 "48" at 105.752,2286.947 h3.84; Mechanical 7 "44" at 106.078,2282.947 h3.84; Mechanical 7 "40" at 105.673,2278.947 h3.84; Mechanical 7 "36" at 105.868,2274.947 h3.84; Mechanical 7 "32" at 105.692,2270.947 h3.84; Mechanical 7 "28" at 105.602,2266.947 h3.84; Mechanical 7 "24" at 105.928,2262.947 h3.84; Mechanical 7 "20" at 105.523,2258.947 h3.84; Mechanical 7 "16" at 106.618,2254.947 h3.84; Mechanical 7 "12" at 106.442,2250.947 h3.84; Mechanical 7 "8" at 107.068,2246.947 h3.84; Mechanical 7 "4" at 107.435,2242.947 h3.84; Mechanical 7 "0" at 106.989,2238.947 h3.84